# KiCad board Combined.kicad_pcb (continued)
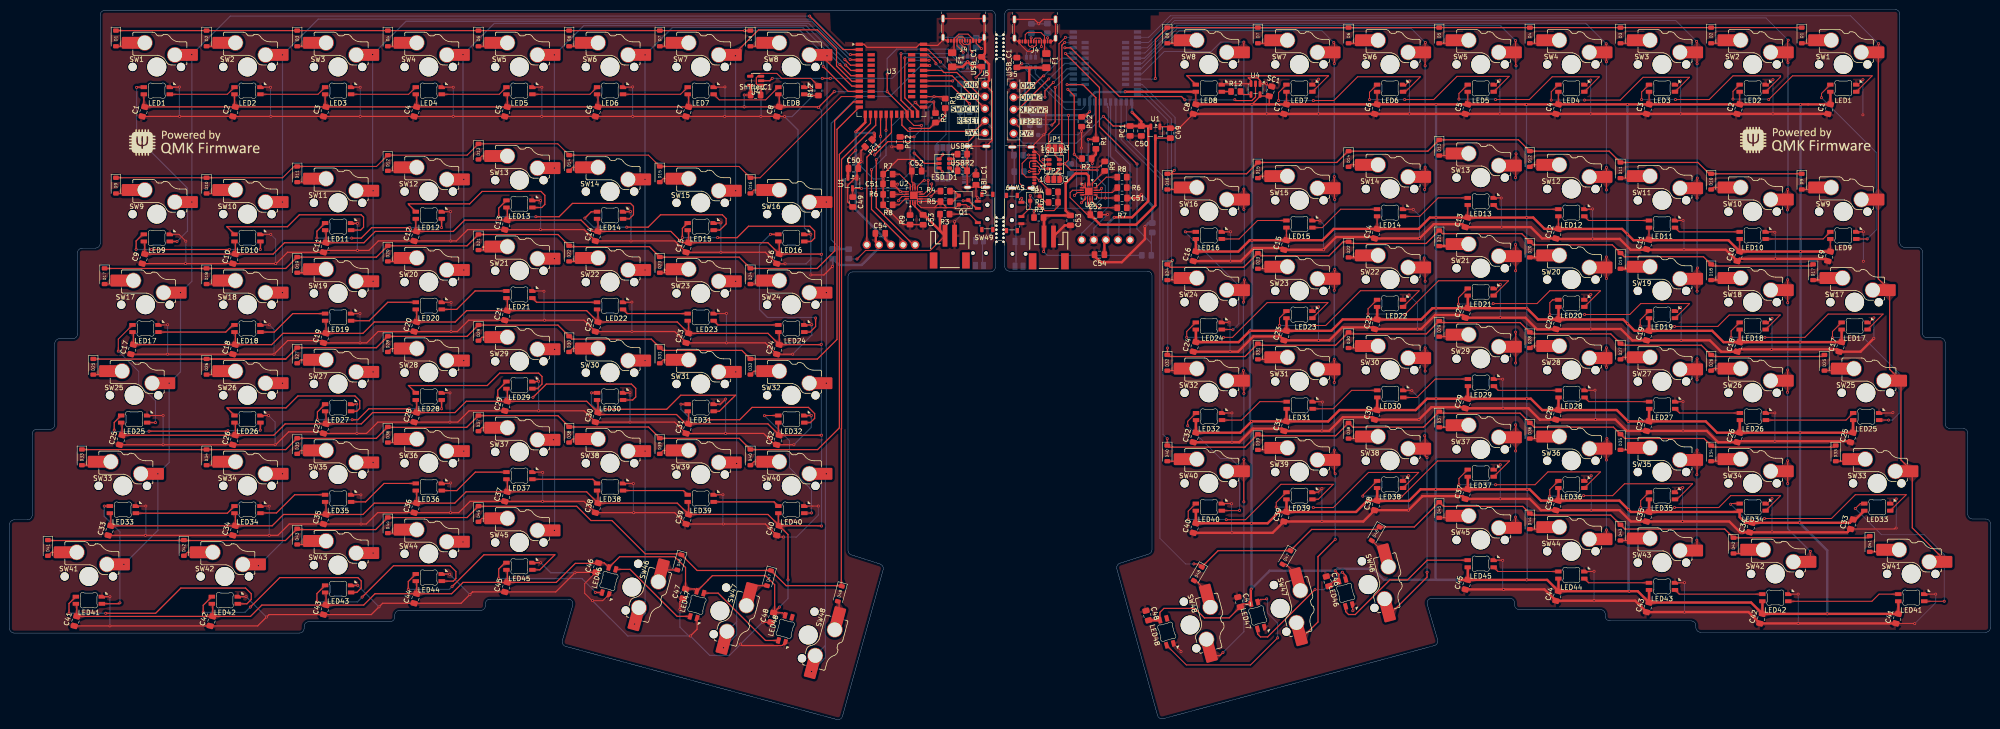
[diagram p0: board, top side]
## Nets (continued)
BLUE_LED: R15.1 R15#2.1 U3.30 U3#2.30
BT_CHG: R1.1 R1#2.1 U2.9 U2#2.9 U3.27 U3#2.27
BT_PGOOD: R2.1 R2#2.1 U2.7 U2#2.7 U3.26 U3#2.26
CS: OLED1.5 OLED1#2.5 U3.19 U3#2.19
D+: ESD_D2.4 ESD_D2#2.4 U3.24 U3#2.24
D-: ESD_D2.6 ESD_D2#2.6 U3.23 U3#2.23
GREEN_LED: R17.1 R17#2.1 U3.29 U3#2.29
LINK+: ESD_D1.4 ESD_D1#2.4 JP2.2 JP2#2.2
LINK-: ESD_D1.6 ESD_D1#2.6 JP1.2 JP1#2.2
MOSI: OLED1.1 OLED1#2.1 U3.17 U3#2.17
R_COL1: SW8.1 SW8#2.1 SW16.1 SW16#2.1 SW24.1 SW24#2.1 SW32.1 SW32#2.1 SW40.1 SW40#2.1 SW48.1 SW48#2.1 U3.9 U3#2.9
R_COL2: SW7.1 SW7#2.1 SW15.1 SW15#2.1 SW23.1 SW23#2.1 SW31.1 SW31#2.1 SW39.1 SW39#2.1 SW47.1 SW47#2.1 U3.8 U3#2.8
R_COL3: SW6.1 SW6#2.1 SW14.1 SW14#2.1 SW22.1 SW22#2.1 SW30.1 SW30#2.1 SW38.1 SW38#2.1 SW46.1 SW46#2.1 U3.7 U3#2.7
R_COL4: SW5.1 SW5#2.1 SW13.1 SW13#2.1 SW21.1 SW21#2.1 SW29.1 SW29#2.1 SW37.1 SW37#2.1 SW45.1 SW45#2.1 U3.6 U3#2.6
R_COL5: SW4.1 SW4#2.1 SW12.1 SW12#2.1 SW20.1 SW20#2.1 SW28.1 SW28#2.1 SW36.1 SW36#2.1 SW44.1 SW44#2.1 U3.5 U3#2.5
R_COL6: SW3.1 SW3#2.1 SW11.1 SW11#2.1 SW19.1 SW19#2.1 SW27.1 SW27#2.1 SW35.1 SW35#2.1 SW43.1 SW43#2.1 U3.4 U3#2.4
R_COL7: SW2.1 SW2#2.1 SW10.1 SW10#2.1 SW18.1 SW18#2.1 SW26.1 SW26#2.1 SW34.1 SW34#2.1 SW42.1 SW42#2.1 U3.3 U3#2.3
R_COL8: SW1.1 SW1#2.1 SW9.1 SW9#2.1 SW17.1 SW17#2.1 SW25.1 SW25#2.1 SW33.1 SW33#2.1 SW41.1 SW41#2.1 U3.2 U3#2.2
R_LED1: LED8.3 LED8#2.3 R12.1 R12#2.1
R_LED_3v3_1: U3.34 U3#2.34 U4.2 U4#2.2
R_ROW1: D1.1 D1#2.1 D2.1 D2#2.1 D3.1 D3#2.1 D4.1 D4#2.1 D5.1 D5#2.1 D6.1 D6#2.1 D7.1 D7#2.1 D8.1 D8#2.1 U3.10 U3#2.10
R_ROW2: D9.1 D9#2.1 D10.1 D10#2.1 D11.1 D11#2.1 D12.1 D12#2.1 D13.1 D13#2.1 D14.1 D14#2.1 D15.1 D15#2.1 D16.1 D16#2.1 U3.11 U3#2.11
R_ROW3: D17.1 D17#2.1 D18.1 D18#2.1 D19.1 D19#2.1 D20.1 D20#2.1 D21.1 D21#2.1 D22.1 D22#2.1 D23.1 D23#2.1 D24.1 D24#2.1 U3.12 U3#2.12
R_ROW4: D25.1 D25#2.1 D26.1 D26#2.1 D27.1 D27#2.1 D28.1 D28#2.1 D29.1 D29#2.1 D30.1 D30#2.1 D31.1 D31#2.1 D32.1 D32#2.1 U3.13 U3#2.13
R_ROW5: D33.1 D33#2.1 D34.1 D34#2.1 D35.1 D35#2.1 D36.1 D36#2.1 D37.1 D37#2.1 D38.1 D38#2.1 D39.1 D39#2.1 D40.1 D40#2.1 U3.15 U3#2.15
R_ROW6: D41.1 D41#2.1 D42.1 D42#2.1 D43.1 D43#2.1 D44.1 D44#2.1 D45.1 D45#2.1 D46.1 D46#2.1 D47.1 D47#2.1 D48.1 D48#2.1 U3.16 U3#2.16
RESET: J5.4 J5#2.4 Reset_Btn1.1 Reset_Btn1#2.1 U3.21 U3#2.21
SCK: OLED1.2 OLED1#2.2 U3.18 U3#2.18
SWDCLK: J5.3 J5#2.3 U3.31 U3#2.31
SWDIO: J5.2 J5#2.2 U3.32 U3#2.32
SYS_OFF: Q1.3 Q1#2.3 SW49.2 SW49#2.2 U2.15 U2#2.15
USART_RX: JP1.1 JP1#2.1 JP2.1 JP2#2.1 U3.36 U3#2.36
USART_TX: JP1.3 JP1#2.3 JP2.3 JP2#2.3 U3.35 U3#2.35
VSENSE: R10.2 R10#2.2 R11.1 R11#2.1 U3.33 U3#2.33
Net-(B_LED1-A): B_LED1.2 B_LED1#2.2 R15.2 R15#2.2
Net-(D1-A): D1.2 D1#2.2 SW1.2 SW1#2.2
Net-(D2-A): D2.2 D2#2.2 SW2.2 SW2#2.2
Net-(D3-A): D3.2 D3#2.2 SW3.2 SW3#2.2
Net-(D4-A): D4.2 D4#2.2 SW4.2 SW4#2.2
Net-(D5-A): D5.2 D5#2.2 SW5.2 SW5#2.2
Net-(D6-A): D6.2 D6#2.2 SW6.2 SW6#2.2
Net-(D7-A): D7.2 D7#2.2 SW7.2 SW7#2.2
Net-(D8-A): D8.2 D8#2.2 SW8.2 SW8#2.2
Net-(D9-A): D9.2 D9#2.2 SW9.2 SW9#2.2
Net-(D10-A): D10.2 D10#2.2 SW10.2 SW10#2.2
Net-(D11-A): D11.2 D11#2.2 SW11.2 SW11#2.2
Net-(D12-A): D12.2 D12#2.2 SW12.2 SW12#2.2
Net-(D13-A): D13.2 D13#2.2 SW13.2 SW13#2.2
Net-(D14-A): D14.2 D14#2.2 SW14.2 SW14#2.2
Net-(D15-A): D15.2 D15#2.2 SW15.2 SW15#2.2
Net-(D16-A): D16.2 D16#2.2 SW16.2 SW16#2.2
Net-(D17-A): D17.2 D17#2.2 SW17.2 SW17#2.2
Net-(D18-A): D18.2 D18#2.2 SW18.2 SW18#2.2
Net-(D19-A): D19.2 D19#2.2 SW19.2 SW19#2.2
Net-(D20-A): D20.2 D20#2.2 SW20.2 SW20#2.2
Net-(D21-A): D21.2 D21#2.2 SW21.2 SW21#2.2
Net-(D22-A): D22.2 D22#2.2 SW22.2 SW22#2.2
Net-(D23-A): D23.2 D23#2.2 SW23.2 SW23#2.2
Net-(D24-A): D24.2 D24#2.2 SW24.2 SW24#2.2
Net-(D25-A): D25.2 D25#2.2 SW25.2 SW25#2.2
Net-(D26-A): D26.2 D26#2.2 SW26.2 SW26#2.2
Net-(D27-A): D27.2 D27#2.2 SW27.2 SW27#2.2
Net-(D28-A): D28.2 D28#2.2 SW28.2 SW28#2.2
Net-(D29-A): D29.2 D29#2.2 SW29.2 SW29#2.2
Net-(D30-A): D30.2 D30#2.2 SW30.2 SW30#2.2
Net-(D31-A): D31.2 D31#2.2 SW31.2 SW31#2.2
Net-(D32-A): D32.2 D32#2.2 SW32.2 SW32#2.2
Net-(D33-A): D33.2 D33#2.2 SW33.2 SW33#2.2
Net-(D34-A): D34.2 D34#2.2 SW34.2 SW34#2.2
Net-(D35-A): D35.2 D35#2.2 SW35.2 SW35#2.2
Net-(D36-A): D36.2 D36#2.2 SW36.2 SW36#2.2
Net-(D37-A): D37.2 D37#2.2 SW37.2 SW37#2.2
Net-(D38-A): D38.2 D38#2.2 SW38.2 SW38#2.2
Net-(D39-A): D39.2 D39#2.2 SW39.2 SW39#2.2
Net-(D40-A): D40.2 D40#2.2 SW40.2 SW40#2.2
Net-(D41-A): D41.2 D41#2.2 SW41.2 SW41#2.2
Net-(D42-A): D42.2 D42#2.2 SW42.2 SW42#2.2
Net-(D43-A): D43.2 D43#2.2 SW43.2 SW43#2.2
Net-(D44-A): D44.2 D44#2.2 SW44.2 SW44#2.2
Net-(D45-A): D45.2 D45#2.2 SW45.2 SW45#2.2
Net-(D46-A): D46.2 D46#2.2 SW46.2 SW46#2.2
Net-(D47-A): D47.2 D47#2.2 SW47.2 SW47#2.2
Net-(D48-A): D48.2 D48#2.2 SW48.2 SW48#2.2
Net-(ESD_D1-L1-Pad1): ESD_D1.1 ESD_D1#2.1 J1.A7 J1.B7 J1#2.A7 J1#2.B7
Net-(ESD_D1-L2-Pad3): ESD_D1.3 ESD_D1#2.3 J1.A6 J1.B6 J1#2.A6 J1#2.B6
Net-(ESD_D2-L1-Pad1): ESD_D2.1 ESD_D2#2.1 J4.A7 J4.B7 J4#2.A7 J4#2.B7
Net-(ESD_D2-L2-Pad3): ESD_D2.3 ESD_D2#2.3 J4.A6 J4.B6 J4#2.A6 J4#2.B6
Net-(F1-Pad1): F1.1 F1#2.1 J4.A4 J4.A9 J4.B4 J4.B9 J4#2.A4 J4#2.A9 J4#2.B4 J4#2.B9
Net-(G_LED1-A): G_LED1.2 G_LED1#2.2 R17.2 R17#2.2
Net-(J1-CC1): J1.A5 J1#2.A5 USBR1.1 USBR1#2.1
Net-(J1-CC2): J1.B5 J1#2.B5 USBR2.1 USBR2#2.1
Net-(J4-CC1): J4.A5 J4#2.A5 R13.1 R13#2.1
Net-(J4-CC2): J4.B5 J4#2.B5 R14.1 R14#2.1
Net-(LED1-DIN): LED1.3 LED1#2.3 LED2.2 LED2#2.2
Net-(LED1-DOUT): LED1.2 LED1#2.2 LED9.3 LED9#2.3
Net-(LED2-DIN): LED2.3 LED2#2.3 LED3.2 LED3#2.2
Net-(LED3-DIN): LED3.3 LED3#2.3 LED4.2 LED4#2.2
Net-(LED4-DIN): LED4.3 LED4#2.3 LED5.2 LED5#2.2
Net-(LED5-DIN): LED5.3 LED5#2.3 LED6.2 LED6#2.2
Net-(LED6-DIN): LED6.3 LED6#2.3 LED7.2 LED7#2.2
Net-(LED7-DIN): LED7.3 LED7#2.3 LED8.2 LED8#2.2
Net-(LED10-DIN): LED9.2 LED9#2.2 LED10.3 LED10#2.3
Net-(LED10-DOUT): LED10.2 LED10#2.2 LED11.3 LED11#2.3
Net-(LED11-DOUT): LED11.2 LED11#2.2 LED12.3 LED12#2.3
Net-(LED12-DOUT): LED12.2 LED12#2.2 LED13.3 LED13#2.3
Net-(LED13-DOUT): LED13.2 LED13#2.2 LED14.3 LED14#2.3
Net-(LED14-DOUT): LED14.2 LED14#2.2 LED15.3 LED15#2.3
Net-(LED15-DOUT): LED15.2 LED15#2.2 LED16.3 LED16#2.3
Net-(LED16-DOUT): LED16.2 LED16#2.2 LED24.3 LED24#2.3
Net-(LED17-DIN): LED17.3 LED17#2.3 LED18.2 LED18#2.2
Net-(LED17-DOUT): LED17.2 LED17#2.2 LED25.3 LED25#2.3
Net-(LED18-DIN): LED18.3 LED18#2.3 LED19.2 LED19#2.2
Net-(LED19-DIN): LED19.3 LED19#2.3 LED20.2 LED20#2.2
Net-(LED20-DIN): LED20.3 LED20#2.3 LED21.2 LED21#2.2
Net-(LED21-DIN): LED21.3 LED21#2.3 LED22.2 LED22#2.2
Net-(LED22-DIN): LED22.3 LED22#2.3 LED23.2 LED23#2.2
Net-(LED23-DIN): LED23.3 LED23#2.3 LED24.2 LED24#2.2
Net-(LED25-DOUT): LED25.2 LED25#2.2 LED26.3 LED26#2.3
Net-(LED26-DOUT): LED26.2 LED26#2.2 LED27.3 LED27#2.3
Net-(LED27-DOUT): LED27.2 LED27#2.2 LED28.3 LED28#2.3
Net-(LED28-DOUT): LED28.2 LED28#2.2 LED29.3 LED29#2.3
Net-(LED29-DOUT): LED29.2 LED29#2.2 LED30.3 LED30#2.3
Net-(LED30-DOUT): LED30.2 LED30#2.2 LED31.3 LED31#2.3
Net-(LED31-DOUT): LED31.2 LED31#2.2 LED32.3 LED32#2.3
Net-(LED32-DOUT): LED32.2 LED32#2.2 LED40.3 LED40#2.3
Net-(LED33-DIN): LED33.3 LED33#2.3 LED34.2 LED34#2.2
Net-(LED33-DOUT): LED33.2 LED33#2.2 LED41.3 LED41#2.3
Net-(LED34-DIN): LED34.3 LED34#2.3 LED35.2 LED35#2.2
Net-(LED35-DIN): LED35.3 LED35#2.3 LED36.2 LED36#2.2
Net-(LED36-DIN): LED36.3 LED36#2.3 LED37.2 LED37#2.2
Net-(LED37-DIN): LED37.3 LED37#2.3 LED38.2 LED38#2.2
Net-(LED38-DIN): LED38.3 LED38#2.3 LED39.2 LED39#2.2
Net-(LED39-DIN): LED39.3 LED39#2.3 LED40.2 LED40#2.2
Net-(LED41-DOUT): LED41.2 LED41#2.2 LED42.3 LED42#2.3
Net-(LED42-DOUT): LED42.2 LED42#2.2 LED43.3 LED43#2.3
Net-(LED43-DOUT): LED43.2 LED43#2.2 LED44.3 LED44#2.3
Net-(LED44-DOUT): LED44.2 LED44#2.2 LED45.3 LED45#2.3
Net-(LED45-DOUT): LED45.2 LED45#2.2 LED46.3 LED46#2.3
Net-(LED46-DOUT): LED46.2 LED46#2.2 LED47.3 LED47#2.3
Net-(LED47-DOUT): LED47.2 LED47#2.2 LED48.3 LED48#2.3
Net-(Q1-G): Q1.1 Q1#2.1 R4.1 R4#2.1 R5.2 R5#2.2
Net-(SW49-A): R3.1 R3#2.1 SW49.1 SW49#2.1
Net-(U2-ILIM): R7.2 R7#2.2 U2.12 U2#2.12
Net-(U2-ISET): R8.2 R8#2.2 U2.16 U2#2.16
Net-(U2-TMR): R6.2 R6#2.2 U2.14 U2#2.14
Net-(U2-TS): R9.2 R9#2.2 U2.1 U2#2.1
Net-(U4-Y): R12.2 R12#2.2 U4.4 U4#2.4

Pads without a net: J1 A8 B8; J1#2 A8 B8; J3 NC1 NC2; J3#2 NC1 NC2; J4 A8 B8; J4#2 A8 B8; LED48 2; LED48#2 2; SW49 MP; SW49#2 MP; U3 20 28 38 39 40 41 42 43 44 45 46 47 48 49 50 51 52 53 54 55; U3#2 20 28 38 39 40 41 42 43 44 45 46 47 48 49 50 51 52 53 54 55

## Via types
v1: diameter 0.6, hole 0.3, Top to Bottom, 593 vias

## Routing (per net, layer and track width the routed paths; a pad name or vN(x,y) marks a point on that pad's centre or on a via; arc(x,y) is an arc through that point)
+3.3V: length 148.2
  Top w0.2: v1(177.86,119.74) 176.32,118.2 C50.1 ; 230.52,100.97 OLED1#2.3
  Top w0.25: v1(229.9,126.86) 231.94,124.82 PC1#2.1 ; J5.5 204.56,122.94 202.91,122.94 201.51,121.54 184.61,121.54 v1(181.81,118.74)
  Top w0.5: 239.31,124.81 239.31,109.02 235.91,105.62 v1(232.16,105.62) ; 239.31,124.81 239.72,124.81 U1.2 ; 239.31,124.81 C50#2.1 ; C54#2.1 230.1,100.55 OLED1#2.3 ; C50.1 176.21,115.78 U1#2.2 ; C50#2.1 237.86,125.77 v1(235.91,127.72) ; C50#2.1 237.85,124.82 PC1#2.1 ; C54.1 184.04,101.04 OLED1.3 ; U3.14 179.84,125.58 v1(177.86,123.59) ; v1(181.68,123.34) 181.83,123.19 181.83,122.47 PC1.1
  Bottom w0.2: 177.81,123.54 v1(177.86,123.59) ; 185.26,99.84 OLED1.3
  Bottom w0.25: v1(229.9,126.86) 229.74,126.7 229.69,126.7 224.21,121.22 213.01,121.22 J5#2.5 ; v1(181.68,123.34) 181.68,123.29 181.81,123.17 v1(181.81,118.74)
  Bottom w0.5: v1(181.68,123.34) 178.11,123.34 v1(177.86,123.59) v1(177.86,119.74) 177.86,107.24 185.26,99.84 ; v1(235.91,127.72) 235.91,129.77 U3#2.14 ; v1(232.16,105.62) 230.86,104.32 230.86,101.31 OLED1#2.3
+5V: length 2930.2
  Top w0.2: 344.58,100.8 344.56,100.82 LED11#2.1 ; v1(222.56,127.07) 222.56,117.67 v1(221.76,116.87) 220.74,116.87 ESD_D1.5 ; LED2.1 363.61,129.39 C2.2 ; LED3#2.1 344.56,131.72 344.58,131.7 C3#2.2 ; 155.36,133.39 U4#2.5 ; U2.13 187.29,110.99 ; 187.29,110.99 v1(187.2,111.08) C51.1 ; 187.29,110.99 C51.1 ; C12#2.2 325.51,103.2 LED12#2.1 ; LED46.1 278.27,29.06 C46.2 ; LED7#2.1 268.38,132 C7#2.2 ; LED15#2.1 268.36,100.82 C15.2 ; USB_C1#2.1 212.49,137.92 v1(212.76,137.92) ; C4#2.2 325.51,129.39 LED4#2.1 ; C51.1 186.61,112.64 v1(186.66,112.59) ; USB_C1.1 204.31,136.24 v1(203.11,135.04) ; C9.2 382.66,98.44 LED9#2.1 ; C51#2.1 228.9,109.67 U2#2.13 ; C13#2.2 306.46,105.58 LED13#2.1 ; C10#2.2 363.61,98.44 LED10#2.1 ; R4#2.2 194.76,111.14 v1(193.66,110.04) ; LED8#2.1 249.31,129.39 C8#2.2 ; LED14#2.1 287.41,103.2 C14.2 ; C5.2 306.46,129.39 LED5.1 ; v1(191.66,124.94) 190.04,124.94 188.64,126.34 U3.22 ; LED6#2.1 287.41,129.39 C6#2.2 ; J1.A4 213.94,118.1 212.81,116.97 212.81,114.92 213.66,114.08 J1.A9 215.71,114.08 v1(216.49,113.3) 218.36,111.43 R4.2
  Top w0.25: C44.2 85.57,28.9 LED44.1 ; C44.2 76.81,26.45 74.43,24.07 C43.2 ; C44.2 92.91,26.45 95.3,28.83 C45#2.2 ; LED42.1 42.71,24.14 C42.2 ; C32.2 159.39,62.17 C31#2.2 ; C32.2 170.4,59.79 170.41,59.79 v1(170.66,59.79) ; C32.2 161.58,59.98 LED32#2.1 ; LED12.1 85.38,103.07 85.57,102.87 C12.2 ; C43.2 53.03,24.07 50.65,21.69 C42.2 ; C43.2 66.52,26.52 LED43.1 ; LED37.1 104.62,50.34 C37.2 ; LED18.1 47.47,81.29 C18.2 ; C31#2.2 142.15,62.17 140.18,64.14 124.08,64.14 C30#2.2 ; C31#2.2 142.72,64.62 LED31.1 ; C18.2 55.1,78.84 57.48,81.22 C19#2.2 ; C18.2 C17.2 26.04,81.29 LED17.1 ; v1(227.01,127.82) 225.95,126.76 PC2#2.1 ; LED7.1 142.72,131.3 C7.2 ; 123.6,32.94 C46#2.2 124.98,32.94 LED46#2.1 128.23,34.24 139.81,34.24 142.07,31.97 C47#2.2 143.98,27.44 LED47#2.1 146.74,29.24 146.74,29.27 147.71,30.24 158.91,30.24 160.81,28.34 160.81,22.67 C48.2 ; LED4.1 85.57,131.3 C4.2 ; C26#2.2 C25#2.2 23.66,62.24 LED25.1 ; C26#2.2 55.55,59.79 57.93,62.17 C27.2 ; C26#2.2 47.47,62.24 LED26#2.1 ; C29#2.2 96,66.93 93.61,64.55 C28.2 ; C29#2.2 121.29,66.93 C30#2.2 ; C29#2.2 104.62,69.39 LED29.1 ; LED48#2.1 162.46,22.44 C48.2 ; C22#2.2 123.67,86.05 LED22#2.1 ; C22#2.2 121.29,85.98 C21#2.2 ; C22#2.2 140.34,83.6 C23.2 ; C8.2 161.77,131.3 LED8.1 ; C8.2 169.9,128.84 v1(170.01,128.74) v1(173.33,132.07) ; C8.2 v1(154.41,128.84) C1#2.2 28.23,129.04 LED1.1 ; C42.2 C41#2.2 14.14,24.14 LED41#2.1 ; v1(170.61,78.89) 170.55,78.84 C24#2.2 ; LED30#2.1 123.67,67 C30#2.2 ; C5#2.2 104.62,131.3 LED5#2.1 ; 221.84,116.95 v1(221.76,116.87) 223.06,115.57 v1(228.56,115.57) ; C2#2.2 47.28,129.04 LED2#2.1 ; LED6.1 123.67,131.3 C6.2 ; LED35#2.1 66.52,45.57 C35#2.2 ; C11.2 57.78,100.27 55.4,97.89 C10.2 ; C11.2 66.52,102.72 LED11.1 ; C11.2 74.48,100.27 76.86,102.65 C12.2 ; C24#2.2 161.77,81.29 LED24#2.1 ; C24#2.2 159.39,81.22 C23.2 ; v1(203.11,115.59) USBI_C1.1 ; C21#2.2 104.62,88.44 LED21#2.1 ; C21#2.2 96.05,85.98 93.66,83.6 C20.2 ; C19#2.2 66.52,83.67 LED19.1 ; C19#2.2 74.28,81.22 76.66,83.6 C20.2 ; LED14.1 123.67,105.1 C14#2.2 ; LED23#2.1 142.72,83.67 C23.2 ; LED40.1 161.58,40.93 C40.2 ; LED34#2.1 47.47,43.19 C34#2.2 ; LED46.1 279.38,30.5 v1(278.61,31.27) ; v1(170.66,40.69) 170.61,40.74 C40.2 ; C10.2 C9#2.2 28.42,100.34 LED9.1 ; C10.2 47.47,100.34 LED10.1 ; C20.2 85.57,86.05 LED20.1 ; C39.2 159.39,43.12 C40.2 ; C39.2 140.34,45.5 C38#2.2 ; C39.2 142.72,45.57 LED39.1 ; v1(163.61,29.34) 163.61,38.91 C40.2 ; LED27#2.1 66.52,64.62 C27.2 ; 264.71,129.37 264.74,129.4 SC1.1 263.13,131.12 U4.5 262.81,131.07 v1(261.11,129.37) ; C36#2.2 93.56,45.5 95.95,47.88 C37.2 ; C36#2.2 76.66,45.5 74.28,43.12 C35#2.2 ; C36#2.2 85.57,47.95 LED36.1 ; C45#2.2 114.9,28.83 118.9,32.84 123.54,32.84 ; C45#2.2 104.62,31.29 LED45.1 ; C37.2 121.29,47.88 C38#2.2 ; C34#2.2 55.2,40.74 57.58,43.12 C35#2.2 ; C34#2.2 C33#2.2 21.28,43.19 LED33#2.1 ; C27.2 73.93,62.17 76.31,64.55 C28.2 ; C47.2 259.27,24.31 LED47.1 ; C47.2 256.33,21.37 251.11,21.37 249.11,23.37 242.61,23.37 241.76,22.52 LED48.1 ; C47.2 258.68,23.24 ; ESD_D1#2.5 192.29,116.95 v1(190.11,119.14) ; PC2.1 190.09,122.53 v1(190.11,122.54) ; C28.2 85.57,67 LED28.1 ; LED15.1 142.72,102.72 C15#2.2 ; C13.2 120.12,105.03 122.5,102.65 C14#2.2 ; C13.2 95.65,105.03 93.26,102.65 C12.2 ; C13.2 104.62,107.49 ; C14#2.2 139,102.65 141.38,100.27 C15#2.2 ; C48.2 161.77,23.64 v1(161.81,23.64) ; v1(260.96,27.42) 260.88,27.34 ; C38#2.2 123.67,47.95 LED38#2.1 ; C3.2 66.33,129.04 LED3.1 ; C16.2 161.77,100.34 LED16#2.1 ; C16.2 170.61,97.89 v1(170.66,97.84) ; C16.2 159.39,100.27 C15#2.2 ; ShifterC1.1 v1(154.41,131.34) ; 188.81,127.14 U3.22 188.64,127.85 v1(184.46,132.04) v1(184.46,135.74)
  Top w0.5: C29.2 v1(299.81,67.46) 297.9,67.46 295.52,65.08 C30.2 ; C29.2 v1(318.86,67.46) 319.72,67.46 322.1,65.08 C28#2.2 ; C29.2 306.48,70.08 LED29#2.1 ; C26.2 v1(376.31,60.32) C25.2 387.44,62.93 LED25#2.1 ; C26.2 363.63,62.93 LED26.1 ; C26.2 358.87,60.32 356.48,62.7 C27#2.2 ; LED43#2.1 344.58,27.23 C43#2.2 ; USB_C1#2.1 211.76,137.09 214.31,137.09 ; LED20#2.1 325.53,86.76 C20#2.2 ; C21.2 v1(318.87,86.51) 321.25,84.13 C20#2.2 ; C21.2 306.48,89.14 LED21.1 ; C21.2 v1(299.81,86.51) 299.05,86.51 296.67,84.13 C22.2 ; LED24.1 249.33,82 C24.2 258.31,79.37 v1(260.69,81.75) C23#2.2 ; C36.2 338.35,46.03 v1(340.26,44.12) 340.73,43.65 C35.2 ; C36.2 325.53,48.66 LED36#2.1 ; C36.2 321.85,46.03 319.47,48.41 v1(318.96,48.41) C37#2.2 ; C18#2.2 360.22,79.37 357.83,81.75 C19.2 ; C18#2.2 363.61,79.39 LED18#2.1 ; C18#2.2 v1(376.31,79.37) C17#2.2 385.04,79.39 LED17#2.1 ; C19.2 344.58,84.38 LED19#2.1 ; C19.2 341.53,81.75 339.15,84.13 C20#2.2 ; LED33.1 387.96,42.07 C33.2 386.78,41.37 v1(376.21,41.37) C34.2 364.81,41.37 363.61,42.57 LED34.1 363.34,43.65 C35.2 ; LED37#2.1 306.48,51.04 C37#2.2 ; C43#2.2 366.01,24.6 C42#2.2 ; C43#2.2 342.2,26.98 v1(340.41,26.98) C44#2.2 ; LED30.1 287.43,67.7 C30.2 ; LED28#2.1 325.53,67.7 C28#2.2 ; 214.31,137.09 214.31,134.12 v1(214.26,134.07) ; 214.31,137.09 F1.2 ; C42#2.2 368.39,24.85 LED42#2.1 ; C42#2.2 v1(382.01,22.22) C41.2 396.97,24.85 LED41.1 ; C45.2 306.48,31.99 LED45#2.1 ; C45.2 v1(318.86,29.36) 323.15,29.36 C44#2.2 ; C45.2 v1(304.71,29.36) ; C28#2.2 337.8,65.08 v1(340.18,62.7) C27#2.2 ; C35.2 344.58,46.28 LED35.1 ; C38.2 287.49,45.97 294.11,45.97 296.55,48.41 v1(299.71,48.41) C37#2.2 ; C38.2 287.43,48.66 LED38.1 ; C38.2 285.37,46.03 282.99,43.65 C39#2.2 ; 318.51,129.37 v1(299.81,129.37) v1(261.11,129.37) C8#2.2 ; 318.51,129.37 318.76,129.37 ; 318.51,129.37 v1(340.01,129.37) C1.2 382.68,132 LED1#2.1 ; F1#2.2 200.27,137.25 v1(201.36,138.34) 202.39,137.3 USB_C1.1 ; C31.2 277.14,62.7 279.52,65.08 C30.2 ; C31.2 268.38,65.31 LED31#2.1 ; C31.2 v1(261.04,62.7) 258.66,60.32 C32#2.2 249.33,62.93 LED32.1 ; C27#2.2 344.58,65.31 LED27.1 ; LED39#2.1 268.38,46.28 C39#2.2 ; C39#2.2 266.79,43.65 264.41,41.27 v1(261.01,41.27) C40#2.2 249.33,43.9 LED40#2.1 ; LED44#2.1 325.53,29.61 C44#2.2 ; C23#2.2 268.38,84.38 LED23.1 ; C23#2.2 277.79,81.75 280.17,84.13 C22.2 ; v1(234.46,132.02) LED8#2.1 ; U4#2.5 155.77,133.29 ShifterC1.1 ; LED22.1 287.43,86.76 C22.2 ; LED16.1 249.33,101.05 C16#2.2 258.26,98.42 260.64,100.8 v1(261.11,100.8) C15.2 275.94,100.8 278.32,103.18 C14.2 296.12,103.18 298.51,105.56 v1(299.81,105.56) C13#2.2 v1(318.86,105.56) 320.22,105.56 322.6,103.18 C12#2.2 338.9,103.18 v1(340.01,102.07) 341.28,100.8 361.25,100.8 C10#2.2 v1(376.41,98.42) C9.2 ; 260.88,27.34 LED47.1 ; C48#2.2 241.75,20.87 LED48.1
  Bottom w0.2: 187.29,110.99 188.24,110.04 v1(193.66,110.04) ; v1(186.66,112.59) 186.76,112.59 190.11,115.94 v1(190.11,119.14) v1(190.11,122.54) 190.11,122.59 191.66,124.14 v1(191.66,124.94) ; ESD_D2.5 214.66,137.31 214.05,137.92 v1(212.76,137.92) ; J1#2.A4 201.03,118.26 201.73,117.56 201.73,115.01 200.96,114.24 J1#2.A9 201.81,114.24 203.11,115.54 v1(203.11,115.59) v1(203.11,135.04) 203.86,135.79 203.86,137.44 202.96,138.34 v1(201.36,138.34) ESD_D2#2.5 ; v1(216.49,113.3) 216.51,113.27 220.31,113.27 221.51,114.47 221.51,116.62 v1(221.76,116.87) 221.77,116.86 USBI_C1#2.1
  Bottom w0.25: v1(184.46,135.74) 184.46,139.04 186.41,140.99 197.29,140.99 199.94,138.34 v1(201.36,138.34) ; v1(228.56,115.57) 228.61,115.52 228.61,113.92 230.31,112.22 v1(230.31,109.67) ; v1(173.33,132.07) 173.53,132.07 173.56,132.04 v1(184.46,132.04) ; v1(170.01,128.74) 170.66,128.09 v1(170.66,97.84) 170.66,78.94 v1(170.61,78.89) 170.64,78.86 170.64,60.02 170.66,60 v1(170.66,59.79) v1(170.66,40.69) ; v1(163.61,29.34) 163.61,25.44 v1(161.81,23.64) ; v1(318.86,29.36) 318.96,29.46 v1(318.96,48.41) 318.86,48.51 v1(318.86,67.46) 318.87,67.47 v1(318.87,86.51) 318.86,86.52 v1(318.86,105.56) 318.81,105.61 v1(318.81,129.37) ; v1(154.41,131.34) v1(154.41,128.84)
  Bottom w0.5: v1(340.41,26.98) 340.26,27.13 v1(340.26,44.12) 340.26,62.62 v1(340.18,62.7) 340.18,83.1 v1(340.06,83.22) ; v1(214.26,134.07) 213.41,133.22 213.41,128.41 214.75,127.07 226.26,127.07 v1(227.01,127.82) U3#2.22 227.01,130.79 228.2,131.97 234.41,131.97 v1(234.46,132.02) ; v1(299.81,129.37) v1(299.81,105.56) v1(299.81,86.51) v1(299.81,67.46) 299.81,48.51 v1(299.71,48.41) 299.71,29.47 299.82,29.36 v1(304.71,29.36) 304.7,29.37 288.84,29.37 286.49,31.72 279.06,31.72 v1(278.61,31.27) 264.81,31.27 v1(260.96,27.42) 261.01,27.47 v1(261.01,41.27) 261.04,41.29 v1(261.04,62.7) 260.69,63.05 v1(260.69,81.75) 261.11,82.17 v1(261.11,100.8) v1(261.11,129.37) ; v1(382.01,22.22) 382.01,35.57 376.21,41.37 v1(376.21,41.37) 376.31,41.47 v1(376.31,60.32) v1(376.31,79.37) 376.41,79.47 v1(376.41,98.42) v1(376.41,129.37) ; 340.01,83.27 v1(340.01,102.07) v1(340.01,129.37)
GND: length 2969.2
  Top w0.2: LED21.4 312.5,90.66 v1(313.31,91.47) ; v1(54.58,44.87) 54.56,44.88 LED34#2.4 ; v1(275.91,66.77) 275.84,66.85 LED31#2.4 ; LED37.4 111.99,52.03 v1(112.06,51.97) ; v1(256.91,64.47) 256.9,64.46 LED32.4 ; v1(404.81,26.37) 404.8,26.36 LED41.4 ; v1(150.66,85.42) 150.61,85.37 LED23#2.4 ; v1(73.86,47.24) 73.83,47.27 LED35#2.4 ; v1(275.11,134.67) 273.96,133.52 LED7#2.4 ; 226.06,111.82 U2#2.5 ; 226.06,111.82 U2#2.17 ; 226.06,111.82 U2#2.4 ; v1(92.71,49.74) 92.61,49.65 LED36.4 ; v1(313.81,71.57) 313.77,71.61 LED29#2.4 ; U2.4 190.81,109.49 ; U2.4 190.81,108.44 191.61,107.64 194.36,107.64 ; U2.4 190.94,108.94 R5#2.1 ; 190.81,109.49 U2.17 190.73,110.92 191.42,110.92 U2.8 ; 190.81,109.49 U2.5 193.01,109.49 193.56,108.94 ; v1(370.41,84.37) 369.55,83.51 LED18#2.4 ; C46#2.1 120.88,28.58 120.88,26.54 122.43,24.99 124.68,24.99 LED46#2.4 ; v1(93.26,132.97) 93.23,132.99 LED4.4 ; LED1#2.4 388.46,133.52 v1(389.51,134.57) ; LED23.4 274.24,85.9 v1(275.11,86.77) ; LED6.4 130.91,132.99 v1(130.96,133.04) ; LED22.4 293.12,88.28 v1(294.11,89.27) ; ShifterC1.2 157.94,131.44 U4#2.1 157.84,133.29 ; v1(352.01,28.77) 351.99,28.75 LED43#2.4 ; 194.36,107.64 196.96,107.64 ; 194.36,107.64 R5#2.1 ; 196.96,107.64 R5#2.1 ; 196.96,107.64 198.86,107.64 Q1#2.2 201.01,108.29 v1(201.61,107.69) ; U2#2.17 226.11,110.37 225.42,110.37 U2#2.8 ; U2#2.17 225.26,112.62 v1(225.26,112.67) ; v1(333.01,31.17) 332.97,31.13 LED44#2.4 ; v1(214.96,140.52) 213.91,140.52 212.23,142.2 J4#2.A12 211.89,142.6 J4#2.S1 J4#2.S1 ; v1(256.61,102.57) 256.6,102.56 LED16.4 ; v1(92.58,68.69) 92.57,68.7 LED28.4 ; v1(333.21,69.27) 333.17,69.23 LED28#2.4 ; v1(375.91,26.37) 375.9,26.36 LED42#2.4 ; v1(389.61,102.57) 389.6,102.56 LED9#2.4 ; v1(112.33,90.07) 112.27,90.13 LED21#2.4 ; LED37#2.4 312.3,52.56 v1(313.31,53.57) ; v1(371.01,64.47) 371,64.46 LED26.4 ; 193.56,108.94 R5#2.1 ; 193.56,108.94 192.04,108.94 ; v1(294.21,134.27) 293.46,133.52 LED6#2.4 ; v1(351.21,86.67) 350.44,85.9 LED19#2.4 ; v1(370.41,46.47) 369.35,45.41 LED34.4 ; LED17.4 33.2,82.98 v1(33.23,83.02) ; J4.A12 196.88,142.76 J4.S1 J4.S1 196.22,147.4 J4.S1 ; R9#2.1 228.96,116.17 225.31,116.17 v1(225.26,116.22) ; LED20.4 92.78,87.75 v1(92.81,87.72) ; LED46.4 282.24,22.94 v1(282.31,22.87) ; C41.1 400.17,20.21 400.21,20.17 v1(400.41,20.17) ; v1(92.66,106.82) 92.64,106.8 LED12.4 ; LED14#2.4 294.95,107.33 v1(295.01,107.27) ; R5#2.1 195.76,108.94 ; v1(150.36,133.04) 150.31,132.99 LED7.4 ; v1(391.81,84.47) 390.85,83.51 LED17#2.4 ; v1(73.71,132.97) 73.68,132.99 LED3.4 ; v1(332.71,107.37) 332.67,107.33 LED12#2.4 ; LED40.4 168.82,44.88 168.83,44.89 v1(169.98,44.89) ; v1(351.61,48.77) 350.99,48.77 LED35.4 ; v1(185.41,120.44) 187.14,120.44 PC2.2 ; v1(313.51,109.67) 313.47,109.71 LED13#2.4 ; C40.1 161.6,38.37 v1(162.68,38.37) ; LED3#2.4 350.46,133.52 v1(351.21,134.27) ; LED30.4 294.65,69.23 v1(294.71,69.17) ; v1(246.21,14.27) 246.21,14.42 LED48.4 ; v1(28.66,44.89) 28.65,44.88 LED33#2.4 ; v1(73.66,85.39) 73.63,85.37 LED19.4 ; v1(294.01,51.27) 292.92,50.18 LED38.4 ; LED38#2.4 131.07,49.65 v1(131.11,49.62) ; USBI_C1.2 203.11,110.04 v1(203.41,109.74) 203.41,109.09 SW49.3 ; v1(256.31,83.57) 256.25,83.51 LED24.4 ; LED5.4 312.26,133.52 v1(313.21,134.47) ; U3.25 191.34,128.8 v1(190.36,129.79) ; v1(351.71,66.87) 351.69,66.85 LED27.4 ; LED26#2.4 54.42,63.93 v1(54.43,63.94) ; v1(371.01,102.47) 370.92,102.56 LED10#2.4 ; v1(275.41,104.87) 275.34,104.95 LED15#2.4 ; LED18.4 54.55,82.98 v1(54.58,83.02) ; v1(111.88,132.97) 111.86,132.99 LED5#2.4 ; LED11#2.4 351.69,104.95 v1(351.71,104.97) ; LED22#2.4 130.76,87.75 v1(130.81,87.79) ; LED45#2.4 313.77,33.51 v1(313.81,33.47) ; v1(256.81,45.37) 256.77,45.41 LED40#2.4 ; v1(395.81,64.57) 395.7,64.46 LED25#2.4 ; LED39#2.4 275.04,47.8 v1(275.81,48.57) ; v1(396.51,40.27) 396.31,40.27 396.11,40.07 C33.1 ; v1(370.41,39.47) 370.21,39.47 370.11,39.37 ; LED2.4 369.56,133.52 v1(370.61,134.57) ; ESD_D1.2 217.35,116.79 216.46,117.67 216.46,118.6 215.69,119.37 J1.A1 215.38,119.71 J1.S1 214.8,120.41 v1(217.36,122.97) 217.81,123.42 217.81,128.62 v1(217.86,128.67) ; LED25.4 32.28,63.93 v1(32.28,63.94) ; LED2#2.4 54.83,132.99 v1(54.86,132.97) ; v1(332.31,89.37) 331.22,88.28 LED20#2.4 ; LED10.4 54.89,102.03 v1(54.91,102.02) ; v1(198.61,104.69) J3#2.1 ; v1(37.06,100.59) 35.61,102.03 33.68,102.03 ; v1(332.41,51.27) 331.32,50.18 LED36#2.4 ; LED33.4 395.55,45.41 v1(396.51,46.37) ; LED39.4 v1(149.93,47.27) ; v1(332.31,134.47) 331.36,133.52 LED4#2.4 ; 198.82,103.04 199.02,102.84 ; 31.19,63.94 31.19,63.93 ; R5.1 217.76,108.77 Q1.2
  Top w0.25: v1(49.71,25.84) 49.7,25.83 LED42.4 ; C53.2 191.97,104.09 R9.1 187.76,104.09 R8.1 v1(183.61,113.69) R7.1 186.71,117.79 190.08,117.79 191.69,116.18 C52#2.2 ; J4#2.A1 219.14,142.6 J4#2.S1 J4#2.S1 217.23,147.24 v1(216.31,146.32) 215.4,147.24 J4#2.S1 ; J1#2.S1 203.64,111.93 USBI_C1.2 202.57,111.93 J1#2.S1 201.26,112 USBR2.2 ; C9#2.1 v1(36.98,95.88) C10.1 v1(55.93,95.88) 56.05,95.88 58.43,98.26 C11.1 66.38,98.65 v1(73.11,98.65) 75.52,98.65 77.51,100.65 C12.1 v1(92.73,100.65) 93.91,100.65 96.29,103.03 C13.1 v1(111.61,103.03) 120.76,103.03 C14#2.1 v1(130.61,100.65) 139.81,100.65 C15#2.1 v1(149.51,98.26) 158.86,98.26 C16.1 161.28,95.84 v1(163.01,95.84) ; J5.1 206.51,132.05 206.51,121.81 J1#2.S1 J1#2.S1 201.26,120.5 USBR1.2 USBR2.2 ; U4#2.3 157.28,135.29 156.96,134.97 156.96,133.72 157.28,133.39 U4#2.1 ; v1(164.6,76.83) C24#2.1 158.86,79.21 v1(150.68,79.21) C23.1 139.81,81.6 v1(130.81,81.6) C22#2.1 120.76,83.98 v1(112.46,83.98) C21#2.1 96.49,83.98 94.11,81.6 v1(92.81,81.6) C20.1 77.46,81.6 75.08,79.21 v1(73.68,79.21) C19#2.1 65.51,79.69 58.46,79.69 v1(55.6,76.83) C18.1 v1(33.21,76.83) C17.1 ; v1(168.41,93.49) 171.16,93.49 v1(172.96,95.29) ; LED15.4 149.48,104.42 v1(149.51,104.44) ; v1(168.51,132.94) 168.46,132.99 LED8.4 166.96,132.99 166.81,132.84 ; v1(72.98,66.34) 72.96,66.32 LED27#2.4 ; C41#2.1 v1(21.11,19.68) C42.1 52.15,19.68 v1(54.01,21.54) 54.53,22.06 C43.1 76.03,22.06 v1(77.66,23.69) 78.41,24.45 C44.1 94.91,24.45 v1(96.76,26.29) 97.31,26.84 97.32,26.83 C45#2.1 114.79,26.83 v1(118.83,30.87) 118.9,30.94 C46#2.1 ; v1(73.21,28.22) LED43.4 ; v1(168.51,63.94) 168.5,63.93 LED32#2.4 ; U3.1 179.57,142 180.21,141.37 190.61,141.37 191.24,142 U3.37 192.33,141.77 195.05,141.77 196.18,142.9 J4.S1 ; LED45.4 111.62,32.98 v1(111.63,32.97) ; v1(92.51,30.54) 92.45,30.6 LED44.4 ; v1(230.76,106.22) 230.71,106.17 C52.2 ; SC1.2 264.76,133.12 v1(264.16,133.72) 264.15,133.71 U4.1 262.81,134.42 262.29,134.95 260.34,134.95 260.91,134.37 U4.3 254.95,133.71 LED8#2.4 ; v1(158.27,20.48) 158.31,20.44 C48.1 ; v1(143.08,17.57) 144.5,18.98 LED47#2.4 ; 192.01,104.29 192.06,104.34 ; v1(150.48,67.39) 149.41,66.32 LED31.4 ; v1(140.88,23.17) 140.88,24.78 C47#2.1 ; LED14.4 130.46,106.8 v1(130.51,106.84) ; v1(111.21,71.14) 111.14,71.08 LED29.4 ; v1(168.61,83.04) 168.55,82.98 LED24#2.4 ; C50.2 178.11,115.6 U1#2.1 177.81,113.98 176.16,112.33 176.16,108.85 C49#2.2 ; v1(21.11,25.84) 21.1,25.83 LED41#2.4 ; 147.68,132.99 147.68,132.97 147.81,132.84 ; USBR2.2 199.52,117.14 197.74,117.14 ESD_D1#2.2 ; PC1.2 178.96,119.59 v1(178.96,117.34) ; 90.68,132.99 90.68,132.97 90.81,132.84 ; v1(225.26,120.17) 225.31,120.22 v1(225.31,123.72) PC2#2.2 ; 109.81,132.84 109.68,132.97 109.68,132.99 ; J4.S1 J4.S1 204.13,142.76 J4.A1 ; LED11.4 72.08,104.42 72.16,104.34 v1(73.11,104.34) ; v1(162.91,126.79) 162.86,126.84 C8.1 v1(157.91,126.84) v1(150.31,126.84) v1(130.98,126.84) v1(111.86,126.84) v1(93.26,126.84) v1(73.71,126.84) v1(54.93,126.84) v1(35.76,126.84) C1#2.1 ; 52.81,132.84 52.68,132.97 52.68,132.99 ; v1(35.71,133.02) 35.68,132.99 33.68,132.99 33.68,132.97 33.81,132.84 ; v1(153.64,15.85) 153.94,15.56 162.37,15.56 LED48#2.4 ; v1(168.41,102.04) 168.4,102.03 LED16#2.4 ; C40.1 158.86,41.11 v1(150.01,41.11) C39.1 139.81,43.5 v1(131.18,43.5) C38#2.1 120.76,45.88 v1(112.03,45.88) C37.1 96.79,45.88 94.41,43.5 v1(92.68,43.5) C36#2.1 77.36,43.5 74.98,41.11 v1(73.88,41.11) C35#2.1 58.78,41.11 56.4,38.73 v1(54.58,38.73) C34#2.1 v1(28.56,38.73) C33#2.1 ; C8#2.1 245.78,124.36 C49.2 243.65,124.67 U1.1 ; 265.28,133.07 264.81,133.07 ; LED13.4 111.57,109.18 v1(111.61,109.14) ; C25#2.1 v1(32.28,57.78) C26#2.1 v1(55.83,57.78) 55.95,57.78 58.66,60.49 65.66,60.49 C27.1 v1(73.01,60.16) 75.03,60.16 77.41,62.55 C28.1 v1(92.56,62.55) 94.21,62.55 96.59,64.93 C29#2.1 v1(111.21,64.93) 120.76,64.93 C30#2.1 v1(130.41,62.55) 139.81,62.55 C31#2.1 v1(150.48,60.16) 158.48,60.16 160.86,57.78 C32.1 v1(164.85,57.78) ; 128.81,132.84 128.68,132.97 128.68,132.99 ; 71.68,132.99 71.68,132.97 71.81,132.84 ; LED30#2.4 130.36,68.7 v1(130.41,68.74)